# Allegro board BRD-05058-03_A1.brd (continued)
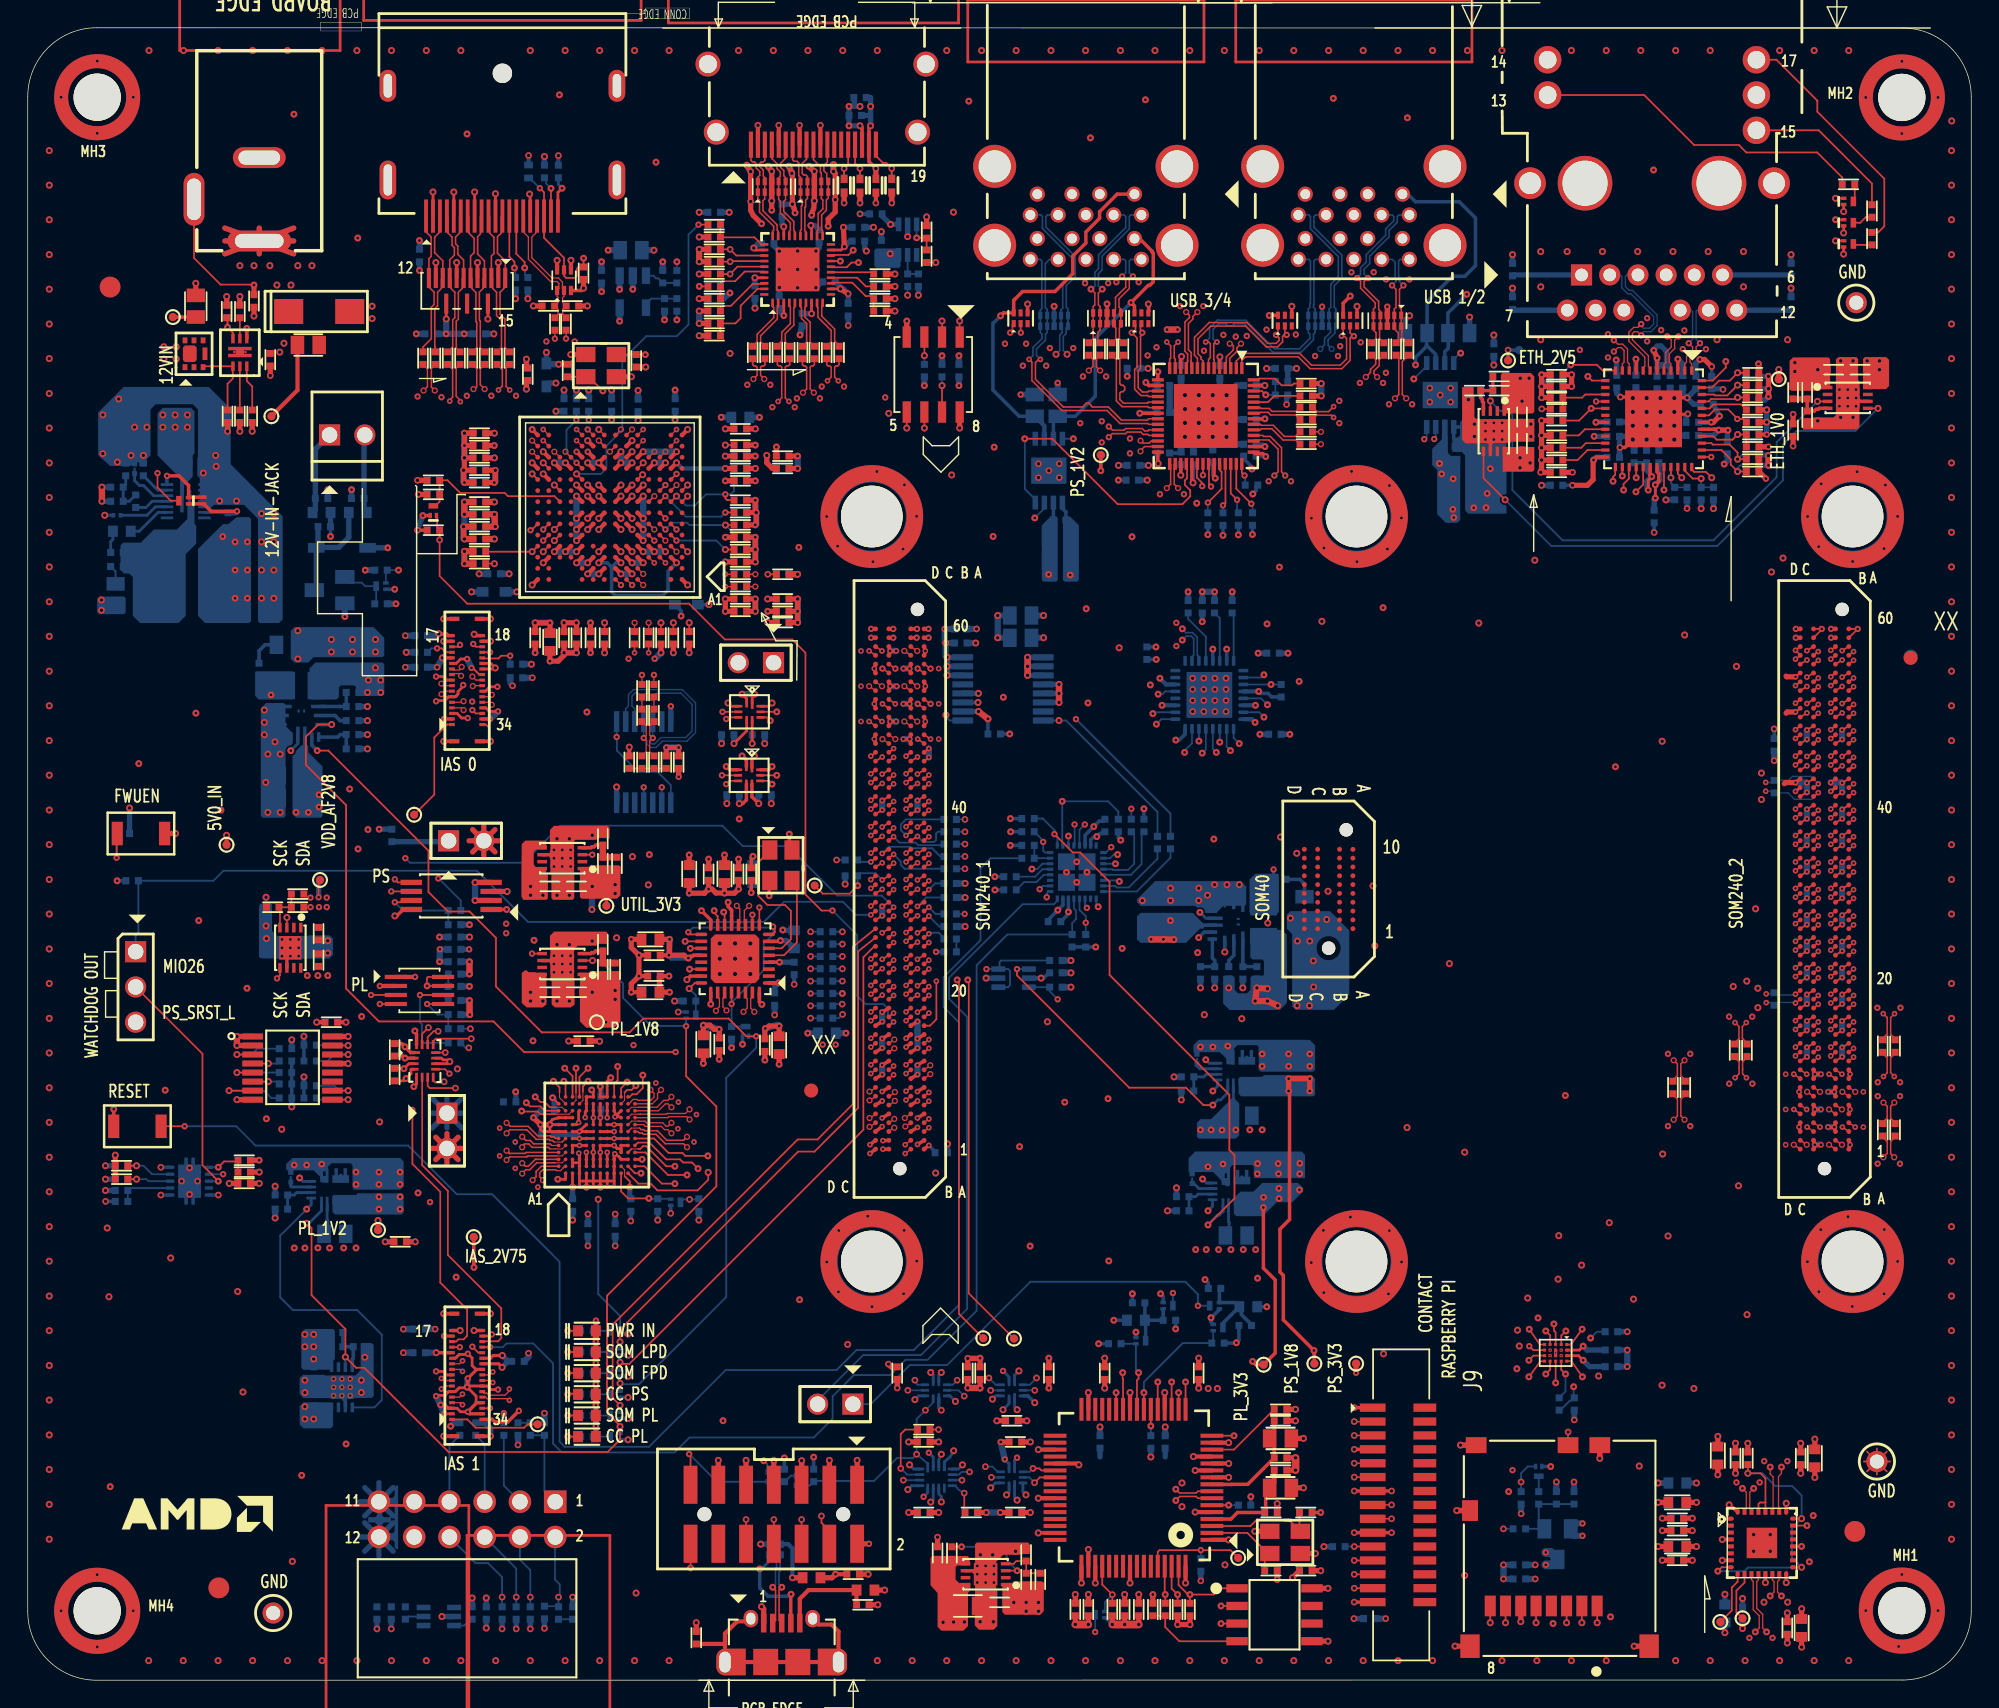
[diagram p0: board, top side]
## Routing (per net, layer and track width the routed paths; a pad name or vN(x,y) marks a point on that pad's centre or on a via; arc(x,y) is an arc through that point) (continued)
PS_1V8_FB: length 2.8
  BOTTOM w0.203: R16.1 R14.2 84.72,43.45 84.9,43.63 U3.10
PS_3V3: length 136.1
  TOP w0.203: v5(54.47,98.27) 54.46,98.28 U32.3 ; v6(50.88,67.45) 51.79,68.36 U30.6 ; U38.A3 111.71,23.37 v5(112.05,23.04) ; U32.32 52.44,103 v6(52.3,103.14) ; U61.15 v6(33.15,98.03) ; U32.37 v6(52.38,101) ; v6(58.82,103.23) 58.59,103 U32.19 ; U32.28 v6(54.46,104.68) ; v6(56.42,104.76) 56.41,104.76 56.41,104.59 56.46,104.55 U32.23 ; U32.12 v6(58.54,100.2) ; U61.13 v6(30.15,98.03) ; U32.8 v6(56.46,98.41)
  TOP w0.254: U43.37 85.46,86.69 85.54,86.6 v5(85.54,86.56) ; v5(50.45,56.02) 50.45,55.71 50.66,55.5 50.66,55.5 50.7,55.46 50.7,55.04 50.7,55.03 U17.13 ; U43.16 80.75,93.24 v5(80.54,93.45) ; v5(48.53,55.41) 49.2,54.74 U17.16 ; U28.6 51.77,63.39 51.51,63.13 v6(51.26,63.13) ; U15.8 27.04,55.5 26.58,55.04 v6(26.44,55.04) ; U43.55 v6(89.12,93.24) ; U17.25 v5(49.2,48.68) ; U43.31 v6(83.06,86.78) ; U17.32 52.7,48.85 v5(52.88,48.67) ; U43.44 v5(89.12,88.84) ; U15.1 v5(34.5,55.5)
  TOP w0.305: U27.L14 v6(36.33,87.67) ; U27.J10 v6(39.53,86.07) ; U62.6 v6(38.13,102.25) ; U27.J5 v6(44.33,86.07)
  TOP w0.381: C110.1 v1(46.89,67.17) v1(46,67.17) R170.1 ; R146.1 v5(52.41,84.98) 52.41,84.16 v2(52.48,84.09) ; C54.1 v5(50.19,56.68) ; v5(50.19,56.68) 50.18,56.69 49.58,56.69 49.29,56.98 v5(49.05,56.98) ; v5(50.19,56.68) 50.9,56.68 v5(51.2,56.98) C61.1 ; v5(49.05,56.98) 48.75,56.68 v5(47.65,56.68) C60.1 ; v5(49.05,56.98) C59.1 ; R168.1 v6(28.14,85.4) ; C340.1 35.92,93.49 v6(35.92,92.97) ; R180.1 v6(48.37,96.82) ; C249.1 v5(40.54,73.99) ; R181.1 v6(62.47,100.38) ; R145.1 v5(52.41,83.2) 52.48,83.27 v2(52.48,84.09) ; C56.1 v5(54.13,47.11) 53.4,47.11 53.22,46.93 v5(53.13,46.93) 53.1,46.9 C55.1 ; R177.1 v6(64.75,105.38) ; R179.1 v6(62.47,98.6) ; v2(52.48,84.09) R141.1 ; R178.1 v6(48.37,99.49) ; R205.1 v6(40.32,98.97) ; TP11.1 v1(95.69,22.14) ; v6(58.54,100.2) v2(59.1,99.84) ; R169.2 v6(46.51,73.99) ; U31.8 v6(67.13,90.17) ; C57.1 v5(49.81,46.87) 49.45,46.87 49.15,47.17 v5(48.66,47.17) C58.1 ; C326.1 v1(70.09,17.16) ; v6(31.45,81.29) v6(31.45,80.41) ; v6(58.82,103.23) v6(58.76,104.63) ; C343.1 v5(53.93,88.81)
  TOP w0.457: v5(31.82,51.74) v5(31.82,50.85) ; C341.1 v6(33.62,84.85) ; v6(89.3,49.8) v6(88.54,49.86) v6(88.42,48.91) v6(89.3,48.91) v6(90.05,48.58) ; v5(31.84,47.93) 31.82,47.96 v5(31.82,48.95) ; R138.1 v6(31.45,81.29) ; R137.1 v6(31.45,80.41)
  L07_PWR w0.381: 122.85,114.16 J10.16 ; J10.16 125.76,112.92 ; J10.16 126.2,114.16 ; J10.16 123.29,115.39 ; J10.16 125.76,115.39 ; J10.16 123.29,112.92 ; 107.81,116.7 J10.14 ; J10.14 108.25,115.46 ; J10.14 111.17,116.7 ; J10.14 110.73,115.46
  BOTTOM w0.203: v1(70.38,15.9) 70.69,15.6 U65.6
  BOTTOM w0.254: TP11.1 v1(95.69,22.14) ; v5(88.25,85.43) 88.48,85.66 88.48,85.95 R218.1 ; v5(89.12,88.84) 88.95,89.01 C297.1 ; v5(80.54,93.45) 80.75,93.24 C299.1 ; R217.1 v5(85.01,82.49) ; C303.1 85.37,86.78 85.54,86.6 v5(85.54,86.56) ; R216.1 v5(86.1,82.44) ; L11.2 47.07,77.01 v5(47.07,76.63) ; v6(83.06,86.78) 83.08,86.8 C304.1
  BOTTOM w0.305: 111.24,10.9 Q14.2
  BOTTOM w0.381: R178.1 v6(48.37,99.49) ; C217.1 v2(59.1,99.84) 58.75,100.2 v6(58.54,100.2) 58.54,100.33 C359.1 ; R270.2 C300.1 v6(91.4,94.47) ; C218.1 55.82,98.41 v6(56.46,98.41) ; U29.14 v1(46.32,70.14) ; C269.1 v5(28.22,103.68) ; v6(52.3,103.14) 52.61,103.45 C357.1 ; C358.1 56.69,104.76 v6(56.42,104.76) ; R1.1 v6(88.54,49.86) ; v6(52.38,101) 52.38,100.99 C220.1 ; v6(86.51,49.86) 86.51,49.86 86.51,50.49 C5.1 ; v5(112.05,23.04) 112.5,22.58 C176.1 ; R184.1 v6(64.16,99.74) ; C225.1 v6(50.53,105.71) ; C221.1 v6(58.76,104.63) ; v5(54.47,98.27) 54.13,98.61 C360.1 ; v6(54.46,104.68) 54.34,104.8 C219.1 ; v6(58.82,103.23) 59.23,103.63 C223.1 ; R196.1 v5(45.87,97.97) ; C298.1 v6(89.12,93.24) ; C250.1 v6(35.92,92.97)
  BOTTOM w0.432: C109.1 v6(51.26,63.13) ; v1(112,10.4) 111.36,10.4 111.36,10.9 111.24,10.9 111.24,11.29 v1(112,11.29) ; C271.1 v5(31.44,96.96) ; C53.1 v5(29.66,53.52) ; R56.1 v5(31.84,47.93) ; R55.1 v5(31.82,48.95) ; R175.1 v6(39.52,92.92) ; R236.1 v2(110.12,14.28) ; R273.1 v2(107.58,11.99) ; R195.1 v5(45.74,102.15) ; R54.1 v5(31.82,50.85) ; R88.1 v5(65.86,95.39) ; C265.1 v5(41.33,100) ; C116.1 v5(67.08,93.23) ; U33.5 v5(42.63,97.87) ; C270.1 v5(30.14,96.96) ; R256.2 v5(31.82,54.41) ; C64.1 v5(31.82,51.74) ; C367.1 v2(111.39,14.28) ; C115.1 v6(50.88,67.45) ; R87.1 v5(64.59,93.23)
  BOTTOM w0.457: v5(54.13,47.11) 53.99,47.19 v5(53.13,46.93) ; v5(52.41,84.98) 52.41,84.6 52.45,84.11 v2(52.48,84.09) 52.48,83.27 v5(52.41,83.2) ; v1(70.38,15.9) v1(70.09,17.16) ; v5(48.66,47.17) 48.68,47.18 49.8,46.89 v5(49.81,46.87) ; v6(31.45,81.29) v6(31.45,80.41) ; v6(30.15,98.03) v5(30.14,96.96) v5(31.44,96.96) ; v1(46,67.17) v1(46.89,67.17) ; R244.1 v6(75.15,49.91) ; v5(31.82,51.74) v5(31.82,50.85) ; v5(31.82,48.95) v5(31.84,47.93)
  vias: v6(107.5,88.03) v6(107.5,87.31) v6(108.23,87.66) v6(132.5,95.01) v6(133.39,95.01) v6(133.39,94.38)
PS_3V3_FB: length 3
  BOTTOM w0.254: R1.2 R2.1 87.53,51.83 87.53,51.84 U1.10
PS_3V3_MODE: length 3.1
  BOTTOM w0.254: R4.2 R5.1 85.51,51.39 85.51,51.83 85.33,52.01 85.33,53.37 U1.13
PS_3V3_PGOOD: length 25.7
  L12_SIG w0.102: v5(84.35,53.48) 82.28,51.41 74.97,51.41 74.94,51.45 73.18,51.45 72.41,50.69 70.18,50.69 69.66,51.21 v1(69.06,51.21)
  BOTTOM w0.132: U70.3 70,51.3 70,51.7 70.13,51.83 R243.2 ; U70.3 v1(69.06,51.21) ; U70.3 70.62,51.21 70.77,51.07 70.77,50.05 70.62,49.91 U70.1
  BOTTOM w0.254: v5(84.35,53.48) 84.35,53.48 84.75,53.87 U1.14
PS_3V3_RAMP: length 2
  BOTTOM w0.254: C5.2 86.51,51.39 86.51,51.83 86.88,52.2 86.88,53.27 U1.11
PS_3V3_SW: length 8.6
  L12_SIG w0.254: v5(84.44,55.3) 86.66,55.3 v1(89.74,58.38)
  BOTTOM w0.203: v5(84.44,55.3) 84.44,55.3 84.87,54.87 U1.16
  BOTTOM w0.254: C321.1 v1(89.74,58.38)
PS_ERROR_OUT_M2C: length 31.1
  TOP w0.127: v5(66.95,50.43) 67.08,50.31 67.08,26.38 TP38.1 ; JA1.B24 v3(64.09,53.15)
  L10_SIG w0.102: v5(66.95,50.43) 66.91,50.43 64.64,52.7 64.54,52.7 v3(64.09,53.15)
PS_ERROR_STATUS_M2C: length 35.3
  TOP w0.127: v5(67.71,50.43) 67.79,50.36 67.79,27.86 TP39.1 ; JA1.B25 v3(63.27,53.21)
  L10_SIG w0.102: v5(67.71,50.43) 67.71,52.08 65.42,54.37 64.11,54.37 63.72,53.98 63.72,53.66 v3(63.27,53.21)
PS_POR_B: length 147.8
  TOP w0.127: Q22.2 29.49,83.82 29.49,82.99 R269.2 v2(29.67,82.12) 29.67,79.52 31.66,77.52 47.64,77.52 50.21,74.95 55.06,74.95 56.02,73.99 56.02,56.59 57.18,55.43 v1(57.97,55.43) ; JA1.C15 v3(62.37,47.41)
  L03_SIG w0.102: v3(62.37,47.41) 62.47,47.41 62.9,47.84 62.9,48.29 63.12,48.5 64.22,48.5 64.46,48.26 64.46,47.44 65.25,46.66 67.79,46.66 77.92,36.52 77.92,34.08 84.3,27.71 v1(84.3,26.97)
  L10_SIG w0.102: v1(76.3,55.62) 75.59,54.91 75.08,54.91 72.92,52.75 72.92,51.48 70.1,48.66 64.54,48.66 64.33,48.87 63.09,48.87 62.78,48.56 62.78,47.82 v3(62.37,47.41)
  BOTTOM w0.127: v1(57.97,55.43) 57.97,55.43 59.75,53.65 59.75,49.28 60.34,48.69 61.63,48.69 61.96,48.36 61.96,47.82 62.37,47.41 v3(62.37,47.41) ; v1(76.3,55.62) 76.3,55.62 76.17,55.75 76.17,56.28 U19.11 ; Q24.3 v1(84.3,26.97) 84.3,27.78 83.38,28.7 72.23,28.7 66.23,22.7 63.54,22.7 60.73,19.88 J21.1
PS_SRST_C2M_B: length 167
  TOP w0.127: J3.14 v2(47.74,8.08) ; JA1.C16 v3(62.37,48.04)
  L03_SIG w0.102: v3(62.37,48.04) 61.92,47.59 61.92,47.28 61.11,46.47 61.11,45.43 59.18,43.5 56.64,43.5 56.2,43.07 47.55,43.07 46.28,44.34 44.35,44.34 43.89,43.88 43.89,43.37 44.25,43.02 44.25,42.2 44.96,41.49 44.96,36.55 44,35.6 44,32.38 41.85,30.22 28.32,30.22 26.03,32.51 26.03,41.37 23.45,43.96 19.43,43.96 16,47.39 J1.3
  L05_SIG w0.102: v2(47.74,8.08) 50.15,8.08 50.87,8.81 67.53,8.81 68.43,9.7 71.17,9.7 73.94,12.47 75.62,12.47 81.3,18.14 81.3,18.51 83.92,21.13 83.92,26.46 v1(82.5,27.88)
  L12_SIG w0.102: v3(62.37,48.04) 62.9,47.51 62.9,47.05 63.25,46.71 67.38,46.71 82.5,31.59 v1(82.5,27.88)
  BOTTOM w0.127: Q25.3 82.49,27.78 82.5,27.78 v1(82.5,27.88)
PWRGD_FPD_M2C: length 38.8
  TOP w0.127: JA1.D24 60.98,52.85 60.2,52.07 60.2,39.64 43.34,22.78 42.79,22.78 v6(42.67,22.9)
  BOTTOM w0.127: Q7.1 v6(42.67,22.9)
PWRGD_LPD_M2C: length 38
  TOP w0.127: v6(42.67,24.37) 42.67,25.24 55.5,38.07 56.67,38.07 59.82,41.21 59.82,52.48 JA1.D25
  BOTTOM w0.127: Q17.1 v6(42.67,24.37)
PWRGD_PL_M2C: length 43.8
  TOP w0.127: JA1.D26 59.48,52.85 59.43,52.8 59.43,41.48 56.89,38.94 55.46,38.94 42.13,25.61 42.13,20.33 v6(42.67,19.8)
  BOTTOM w0.127: Q9.1 v6(42.67,19.8)
PWROFF_C2M_B: length 145.5
  TOP w0.127: Q21.3 10.3,84.94 9.35,85.89 v1(9.35,86.93) ; J12.3 11.98,102.42 13.89,100.5 16.26,100.5 v5(16.3,100.47) ; U7.3 v1(40.66,59.45)
  TOP w0.132: JA1.B26 v3(63.27,53.85)
  TOP w0.381: C207.1 v5(16.3,100.47)
  L03_SIG w0.102: v6(41.1,34.63) 40.69,35.04 40.69,36.13 39.29,37.52 39.29,42.84 39.93,43.47 39.93,58.71 v1(40.66,59.45) ; v1(9.35,86.93) 12.62,90.21 12.62,96.35 14.84,98.57 15.01,98.57 16.3,99.85 v5(16.3,100.47)
  L05_SIG w0.102: v1(9.35,86.93) 9.35,81.62 14.46,76.5 21.76,76.5 22.25,76.99 31.53,76.99 33.25,75.27 34.01,75.27 35.3,73.98 35.3,73.37 35.99,72.69 36.62,72.69 38.48,70.83 38.48,62.07 40.66,59.88 v1(40.66,59.45) 41.68,58.43 55.72,58.43 60.34,53.82 60.34,53.08 60.72,52.7 60.72,52.7 60.82,52.59 62.74,52.59 62.89,52.74 62.89,53.46 63.27,53.84 v3(63.27,53.85)
  BOTTOM w0.132: Q6.1 42.67,26.23 41.1,27.8 v6(41.1,34.63)
RPI_ENABLE: length 68
  TOP w0.127: J9.11 v2(95.56,9.63)
  L03_SIG w0.102: v2(95.56,9.63) 96,9.18 98.69,9.18 100.26,10.75 100.26,19.59 97.01,22.85 92.23,22.85 88.97,26.1 88.41,26.1 79.22,35.29 79.22,36.74 75.95,40.01 75.95,52.68 73.4,55.23 v1(73.4,56.38)
  BOTTOM w0.127: v1(73.4,56.38) 73.4,56.39 73.4,56.66 73.54,56.8 U19.17 ; R259.2 94.91,9.63 v2(95.56,9.63)
RPI_I2C_SCK: length 117.4
  TOP w0.127: U18.10 v6(23.08,42.46) ; J9.13 v2(95.56,7.63)
  L03_SIG w0.102: v6(23.08,42.46) 23.54,41.99 23.54,41.59 20.83,38.88 19.71,38.88 18.44,37.61 18.44,19.6 22.51,15.53 40.39,15.53 45.98,9.94 45.98,8.65 51.15,3.47 75.37,3.47 75.83,3.02 77.21,3.02 77.36,3.17 91.1,3.17 v2(95.56,7.63)
  BOTTOM w0.127: v6(23.08,42.46) 22.44,42.46 22.08,42.81 R64.2
RPI_I2C_SDA: length 117.6
  TOP w0.127: J9.14 v2(95.56,6.63) ; U18.9 v6(23.08,41.81)
  L03_SIG w0.102: v6(23.08,41.81) 20.78,39.51 19.45,39.51 17.17,37.23 17.17,19.62 22.2,14.59 39.4,14.59 45.04,8.95 45.04,8.44 50.92,2.56 91.49,2.56 v2(95.56,6.63)
  BOTTOM w0.127: v6(23.08,41.81) 20.91,41.81 R59.2
SD_RESET_B: length 66.8
  L03_SIG w0.102: v2(107.58,14.28) 106.79,14.28 99.36,21.71 99.36,23.08 98.01,24.43 95.42,24.43 90.75,29.1 90.75,29.45 88.27,31.93 85.18,31.93 79.76,37.34 79.76,54.44 77.85,56.36 75.13,56.36 74.52,56.97 v1(72.89,56.97)
  BOTTOM w0.127: U19.18 73.13,57.2 72.9,56.97 v1(72.89,56.97) ; Q15.1 108.05,15.39 107.58,14.91 v2(107.58,14.28) R273.2
SDIO1_CLK: length 29.6
  TOP w0.127: J11.5 v6(108.65,4.14)
  L02_GND w0.127: v7(109.67,23.37) 108.72,22.43 v5(107.27,22.43)
  L03_SIG w0.102: v6(108.65,4.14) 107.85,3.34 104.93,3.34 104.52,3.75 104.52,7.58 108.61,11.67 108.61,14.62 107.27,15.96 v5(107.27,22.43)
SDIO1_CMD: length 28.5
  TOP w0.127: U38.C4 v5(110.07,21.41) ; J11.3 v6(110.85,4.14)
  L03_SIG w0.102: v5(110.07,21.41) 113.8,17.68 113.8,12.1 113.9,12 114.1,12 114.2,11.9 114.2,11.49 114.1,11.39 113.9,11.39 113.8,11.29 113.8,10.88 113.9,10.78 114.1,10.78 114.2,10.68 114.2,10.27 114.1,10.17 113.9,10.17 113.8,10.07 113.8,9.67 113.9,9.56 114.1,9.56 114.2,9.46 114.2,9.06 114.1,8.95 113.9,8.95 113.8,8.85 113.8,8.45 113.9,8.34 114.1,8.34 114.2,8.24 114.2,7.84 114.1,7.73 113.9,7.73 113.8,7.63 113.8,7.09 113.09,6.38 112.95,6.38 112.41,6.92 112.27,6.92 111.98,6.64 111.98,6.49 112.52,5.95 112.52,5.81 112.23,5.52 112.09,5.52 111.55,6.06 111.4,6.06 111.12,5.77 111.12,5.63 111.66,5.09 111.66,4.95 v6(110.85,4.14)
SDIO1_DATA0: length 29.4
  TOP w0.127: J11.7 v6(106.45,4.14) ; v5(109.35,22.05) 109.67,22.36 U38.D4
  L03_SIG w0.102: v5(109.35,22.05) 108.64,21.33 108.64,19.24 112.91,14.97 112.91,13 110.62,10.72 110.62,9.48 110.73,9.38 111.22,9.38 111.32,9.28 111.32,8.87 111.22,8.77 110.73,8.77 110.62,8.67 110.62,8.31 109.98,7.67 109.98,7.52 110.31,7.19 110.31,7.05 110.02,6.76 109.88,6.76 109.55,7.09 109.4,7.09 109.12,6.8 109.12,6.66 109.45,6.33 109.45,6.18 109.16,5.9 109.02,5.9 108.69,6.23 108.54,6.23 108.25,5.94 108.25,5.8 108.59,5.47 108.59,5.32 108.3,5.04 108.16,5.04 107.82,5.37 107.68,5.37 v6(106.45,4.14)
SDIO1_DATA1: length 29.7
  TOP w0.127: v5(108.14,21.85) 108.97,22.97 U38.E4 ; J11.8 v6(105.35,4.14)
  L03_SIG w0.102: v5(108.14,21.85) 108.14,16.36 109.4,15.1 109.4,13.47 109.5,13.37 111.74,13.37 111.84,13.27 111.84,12.87 111.74,12.76 109.5,12.76 109.4,12.66 109.4,11.47 108.76,10.82 108.76,10.68 109.1,10.34 109.1,10.2 108.81,9.91 108.67,9.91 108.33,10.25 108.18,10.25 107.9,9.96 107.9,9.82 108.23,9.48 108.23,9.34 107.95,9.05 107.8,9.05 107.46,9.39 107.32,9.39 106.89,8.95 106.89,5.67 v6(105.35,4.14)
SDIO1_DATA2: length 29.3
  TOP w0.127: v5(111.99,21.85) 111.21,22.97 U38.A4 ; J11.1 v6(113.05,4.14)
  L03_SIG w0.102: v6(113.05,4.14) 118.46,4.14 119.23,4.91 119.23,14.61 v5(111.99,21.85)
SDIO1_DATA3: length 31.7
  TOP w0.127: J11.2 v6(111.95,4.14) ; v5(110.78,22.05) 110.47,22.36 U38.B4
  L03_SIG w0.102: v6(111.95,4.14) 114.24,6.43 114.38,6.43 115.5,5.31 115.65,5.31 115.93,5.59 115.93,5.74 114.81,6.86 114.81,7 115.14,7.33 115.14,9.06 115.24,9.16 115.65,9.16 115.75,9.26 115.75,9.66 115.65,9.77 115.24,9.77 115.14,9.87 115.14,10.27 115.24,10.38 115.65,10.38 115.75,10.48 115.75,10.88 115.65,10.99 115.24,10.99 115.14,11.09 115.14,11.49 115.24,11.6 115.65,11.6 115.75,11.7 115.75,12.1 115.65,12.2 115.24,12.2 115.14,12.31 115.14,17.94 111.58,21.51 111.58,21.74 111.27,22.05 v5(110.78,22.05)
  BOTTOM w0.127: v5(110.78,22.05) 110.78,20.8 R247.2
SDIO_CLK_FB_NC: length 1.2
  TOP w0.127: v1(108.16,24.06) 108.44,23.77 U38.E2
SDIO_VCCB: length 4.9
  L02_GND w0.279: v7(110.47,23.37) 111.36,22.48 v5(111.36,21.14)
  BOTTOM w0.127: v5(111.36,21.14) 111.36,20.39 C178.1 111.2,20.14 111.1,20.14 110.4,19.44 R247.1
SDIO_VDD: length 4.1
  BOTTOM w0.127: C368.2 v2(106.31,10.9)
  BOTTOM w0.432: C369.1 v2(108.59,7.29) ; C177.1 v2(108.59,8.31)
  BOTTOM w0.635: v1(109.35,8.31) 109.81,8.31 Q14.3 109.7,9.2 v1(109.35,9.2)
SI5332_SCLK_NC: length 1.3
  TOP w0.127: U17.9 v1(52.7,55.65)
SI5332_SDA_NC: length 0.7
  TOP w0.127: U17.10 v1(52.2,55.12)
SI5332_VCCO2_NC: length 0.6
  TOP w0.127: U40.20 v5(127.78,9.64)
SI5332_VCCO3_NC: length 1
  TOP w0.127: U40.23 v5(128.17,11.14)
SI5332_XA: length 7
  TOP w0.127: X3.3 55.41,57.24 55.41,53.14 54.47,52.21 U17.5
SI5332_XB: length 10.3
  TOP w0.127: X3.1 53.45,59.73 52.62,58.9 52.62,56.49 53.29,55.82 54.55,55.82 54.97,55.4 54.97,53.37 54.31,52.71 U17.6
SOM240_1_C45_NC: length 0.4
  TOP w0.127: JA1.C45 v3(62.37,66.46)
SOM240_1_D46_NC: length 0.4
  TOP w0.127: JA1.D46 v3(60.73,66.55)
SOM_5V0: length 13.5
  TOP w0.254: JA1.A59 v1(64.89,75.07) ; JA1.D60 v1(60.75,75.71) ; JA1.C60 v1(62.35,75.71) ; JA1.C59 v1(62.35,75.07) ; JA1.A60 v1(64.89,75.71) ; JA1.B60 v1(64.06,75.71)
  BOTTOM w0.381: U14.14 v6(66.22,72.36) ; U14.15 v6(66.22,73.01) ; U14.16 v6(66.22,73.66)
  BOTTOM w0.432: C324.1 v6(66.13,74.69) ; C354.1 v6(69.87,75.07) ; C353.1 v6(69.87,76.67) ; C323.1 v2(66.06,75.71)
  BOTTOM w0.457: v6(69.87,76.67) v6(69.87,75.07) ; v6(66.22,72.36) v6(66.22,73.01) v6(66.22,73.66) 66.13,73.76 v6(66.13,74.69) 66.06,74.75 v2(66.06,75.71)
SOM_DP_AUX_IN_LS: length 8.5
  TOP w0.127: U28.4 v1(50.01,65.17)
  L05_SIG w0.102: v1(44.37,64.3) 45.52,65.45 48.15,65.45 48.43,65.17 v1(50.01,65.17)
  BOTTOM w0.127: U29.4 v1(44.37,64.3)
SOM_DP_AUX_OUT_LS: length 6.8
  TOP w0.127: U28.5 50.55,64.77 v1(50.32,64.53)
  L05_SIG w0.102: v1(45.67,64.3) 48.15,64.3 48.38,64.53 v1(50.32,64.53)
  BOTTOM w0.127: U29.2 v1(45.67,64.3)
SOM_DP_HPD_LS: length 17.8
  TOP w0.127: U27.F4 v4(45.13,82.87) ; R174.1 v6(45.62,76.15) ; U30.4 v1(50.05,69.74)
  L03_SIG w0.102: v1(50.05,69.74) 47.04,72.75 47.04,74.73 v6(45.62,76.15) 45.62,79.01 44.73,79.9 44.73,82.46 v4(45.13,82.87)
SOM_DP_OE_LS: length 17.6
  TOP w0.127: U30.5 50.42,69.34 50.32,69.23 50.32,69.22 v1(50.32,69.22)
  L05_SIG w0.102: v1(42.42,67.93) 43.72,69.22 v1(50.32,69.22)
  BOTTOM w0.127: U29.8 v1(42.42,67.93) 42.44,67.91 42.44,66.94 43.97,65.42 45.36,65.42 46.32,64.46 U29.1
STDP4320_AVDD12_OSC: length 3.8
  TOP w0.132: U27.L13 v6(37.13,87.67)
  TOP w0.305: U27.M6 v6(43.53,88.47)
  TOP w0.381: C258.1 v6(33.62,89.8)
  BOTTOM w0.381: L12.1 37.6,93.41 v6(38.05,93.41) ; C257.1 v6(43.97,90.72)
  BOTTOM w0.432: C258.1 v6(33.62,89.8)
STDP4320_DVDD25_SM: length 16.1
  TOP w0.127: v2(53.31,79.64) C260.1 ; v6(44.3,86.81) 44.28,86.81 U27.K5
  L03_SIG w0.102: v6(44.3,86.81) 44.31,86.81 45.88,86.81 46.21,86.48 47.95,86.48 49.66,84.78 49.66,83.13 50.03,82.75 52.65,82.75 53.31,82.09 53.31,79.65 v2(53.31,79.64)
  BOTTOM w0.127: v2(53.31,79.64) C259.1
STDP4320_GPIO5_HDMI_OE_B: length 25.2
  TOP w0.127: R185.1 v1(48.32,104.82) ; U27.K10 v6(39.53,86.87)
  BOTTOM w0.127: v1(48.32,104.82) 47.6,104.1 47.6,97.63 46.76,96.79 44.56,96.79 42.83,95.06 42.83,90.03 41.68,88.88 41.68,87.26 41.29,86.87 v6(39.53,86.87)
STDP4320_GPIO6_HDMI_DDC_EN: length 44.2
  TOP w0.127: U27.E13 v1(37.13,82.07) ; R186.1 v5(48.37,100.38)
  L10_SIG w0.102: v5(48.37,100.38) 48.37,100.55 47.65,101.27 47.65,102.48 45.65,104.48 33.8,104.48 31.77,102.46 31.77,97.42 32.28,96.92 32.28,86.68 33.57,85.39 34.35,85.39 36.73,83.01 36.73,82.48 v1(37.13,82.07)
STDP4320_GPIO7_HDMI_PWR_ON: length 47
  TOP w0.127: R182.1 v6(65.41,102.1) ; v1(36.22,82.82) 36.28,82.82 U27.F14
  L10_SIG w0.102: v6(65.41,102.1) 64.79,101.48 64.79,96.41 57.15,88.76 57.15,84.68 52.56,80.09 44.18,80.09 43.91,80.36 43.91,80.63 43.69,80.85 39.38,80.85 39.2,80.67 37.99,80.67 37.56,81.11 37.56,81.47 37.36,81.66 36.76,81.66 36.22,82.21 v1(36.22,82.82)
STDP4320_GPIO8_HDMI_PWR_FLT_B: length 39.4
  TOP w0.127: U27.E12 v6(37.93,82.07)
  L10_SIG w0.102: v6(63.38,99.74) 62.92,99.28 62.92,95.55 56.03,88.66 56.03,85.22 52.71,81.91 49.29,81.91 48.18,80.8 47.4,80.8 47.32,80.88 46.55,80.88 46.31,81.11 46.31,81.43 46.06,81.67 38.33,81.67 v6(37.93,82.07)
  BOTTOM w0.127: R183.1 v6(63.38,99.74)
STDP4320_GPIO10_DP_PWR_EN: length 36.3
  TOP w0.127: U27.F12 v6(37.93,82.87)
  L10_SIG w0.102: v6(37.93,82.87) 37.93,84.15 35.85,86.24 35.85,92.46 35.41,92.89 35.41,96.33 34.53,97.21 34.53,101.78 35.76,103.01 41.09,103.01 41.74,102.36 42.37,102.36 v5(46.76,97.97)
  BOTTOM w0.127: R197.1 v5(46.76,97.97)
STDP4320_GPIO11_DP_PWR_FAULT_B: length 37.6
  TOP w0.127: U27.F13 v1(37.13,82.87)
  L10_SIG w0.102: v5(46.76,102.15) 44.99,103.92 34.97,103.92 32.66,101.61 32.66,97.17 32.92,96.92 32.92,92.21 34.57,90.56 34.57,86.1 37.13,83.53 v1(37.13,82.87)
  BOTTOM w0.127: R198.1 v5(46.76,102.15)
STDP4320_GPIO12_DP_TX1_CONFIG1: length 26.8
  TOP w0.127: U27.H1 v6(47.53,85.27) ; v5(35.06,101.71) 35.06,102.14 34.69,102.51 J6.13
  L10_SIG w0.102: v6(47.53,85.27) 45.51,87.29 45.51,90.44 39.91,96.05 39.91,96.86 v5(35.06,101.71)
  BOTTOM w0.127: R203.1 35.14,101.48 35.06,101.55 v5(35.06,101.71)
STDP4320_GPIO13_DP_TX1_CONFIG2: length 31.9
  TOP w0.127: U27.G3 v1(45.93,83.67) ; J6.14 35.19,102.72 35.8,102.12 v5(35.8,101.71)
  L10_SIG w0.102: v5(35.8,101.71) 36.47,101.71 41.37,96.81 43.94,96.81 48.19,92.57 48.19,84.95 46.9,83.67 v1(45.93,83.67)
  BOTTOM w0.127: R202.1 35.82,101.22 35.82,101.68 v5(35.8,101.71)
STDP4320_HOST_IRQ_OUT: length 7.1
  TOP w0.127: v1(50.25,85.4) 50.25,85.4 50.25,85.11 50.38,84.98 50.88,84.98 R146.2 ; U27.H2 v6(46.73,85.27)
  BOTTOM w0.127: R154.1 50.88,85.64 50.64,85.4 v1(50.25,85.4) 48.86,85.4 48.05,84.6 47.41,84.6 v6(46.73,85.27)
STDP4320_RX0_LN0_N: length 5.6
  TOP w0.094: v4(44.33,79.67) U27.B5 ; C212.2 v4(44.73,76.15)
  L03_SIG w0.112: v4(44.73,76.15) 44.45,76.43 44.45,77.48 45.13,78.16 45.13,79.14 44.87,79.4 44.61,79.4 v4(44.33,79.67)
STDP4320_RX0_LN0_P: length 5.6
  TOP w0.094: C211.2 v4(43.71,76.15) ; v4(44.33,78.87) U27.A5
  L03_SIG w0.112: v4(44.33,78.87) 44.33,79.03 44.45,79.14 44.76,79.14 44.88,79.03 44.88,78.27 44.19,77.59 44.19,76.27 44.08,76.15 v4(43.71,76.15)
STDP4320_RX0_LN1_N: length 6.8
  TOP w0.094: U27.C3 v3(45.93,80.47) ; C214.2 v3(50.25,79.64)
  L12_SIG w0.112: v3(50.25,79.64) 49.93,79.33 48.45,79.33 47.85,79.93 45.77,79.93 45.66,80.04 45.66,80.2 v3(45.93,80.47)
STDP4320_RX0_LN1_P: length 7.2
  TOP w0.094: C213.2 v3(50.25,78.75) ; U27.C4 v3(45.13,80.47)
  L12_SIG w0.112: v3(50.25,78.75) 49.93,79.07 48.34,79.07 47.74,79.67 45.67,79.67 45.41,79.93 45.41,80.2 v3(45.13,80.47)
STDP4320_SPDIF_OUT0: length 5
  TOP w0.127: R151.1 v6(50.25,81.42) ; U27.E2 v1(46.73,82.07)
  BOTTOM w0.127: v1(46.73,82.07) 49.6,82.07 v6(50.25,81.42)
STDP4320_SPDIF_OUT1: length 6.9
  TOP w0.127: v6(50.26,83.19) 50.87,83.19 R145.2 ; U27.F3 v1(45.93,82.87)
  BOTTOM w0.127: R153.1 50.74,82.45 50.74,82.71 v6(50.26,83.19) 47.66,83.19 47.49,83.36 46.42,83.36 v1(45.93,82.87)
STDP4320_SPI_CLK: length 24.3
  TOP w0.127: U27.H3 v1(45.93,85.27) ; v1(50.25,84.09) 50.26,84.09 50.88,84.09 R141.2 ; U31.6 v6(64.59,90.17)
  L03_SIG w0.102: v1(50.25,84.09) 51.89,85.72 55.76,85.72 59.1,89.07 63.49,89.07 v6(64.59,90.17)
  BOTTOM w0.127: v1(50.25,84.09) 49.96,83.79 47.41,83.79 v1(45.93,85.27)
STDP4320_SPI_CS_B: length 33
  TOP w0.127: U31.1 v6(67.13,97.88) ; U27.J3 v1(45.93,86.07)
  L12_SIG w0.102: v1(45.93,86.07) 46.33,85.67 46.33,85.02 46.79,84.56 55.59,84.56 59.97,88.94 64.31,88.94 66.46,91.09 66.46,97.22 v6(67.13,97.88)
STDP4320_SPI_DI: length 28.9
  TOP w0.127: U27.J1 v6(47.53,86.07) ; U31.2 v6(65.86,97.88)
  L12_SIG w0.102: v6(65.86,97.88) 65.17,97.2 65.17,91.64 63.95,90.42 63.95,89.85 63.56,89.45 59.67,89.45 55.83,85.61 52.07,85.61 51.76,85.92 49.58,85.92 49.43,86.07 v6(47.53,86.07)
STDP4320_SPI_DO: length 20.5
  TOP w0.127: U31.5 v6(63.32,90.17) ; U27.K2 v1(46.73,86.87)
  L12_SIG w0.102: v6(63.32,90.17) 59.4,90.17 55.1,85.87 52.32,85.87 51.36,86.83 46.77,86.83 v1(46.73,86.87)
STDP4320_TCLK: length 11.1
  TOP w0.127: v5(44.49,95.46) C216.2 42.41,95.46 X4.3 ; U27.N7 v4(41.93,88.47)
  L03_SIG w0.102: v5(44.49,95.46) 43.86,95.46 42.49,94.09 42.49,90.47 42.06,90.04 42.06,88.6 v4(41.93,88.47)
STDP4320_UART_RX: length 97.4
  TOP w0.127: U27.J2 v4(46.73,86.07)
  L03_SIG w0.102: v4(46.73,86.07) 47.13,85.67 47.77,85.67 48.79,84.65 48.79,82.44 49.68,81.55 49.68,72.9 50.55,72.03 52.14,72.03 52.88,71.29 52.88,68.75 50.97,66.85 50.97,64.41 46.88,60.32 46.88,49.45 47.32,49.02 47.32,47.87 46.88,47.44 46.88,46.99 47.67,46.2 52.05,46.2 52.31,45.94 56.29,45.94 56.73,46.38 57.59,46.38 v1(58.2,45.77)
  L05_SIG w0.102: v2(68.98,15.38) 68.52,15.38 67.91,15.99 66.58,15.99 66.28,16.29 66.28,16.46 66,16.74 65.24,16.74 57.15,24.83 57.15,38.19 58.69,39.72 58.69,45.29 v1(58.2,45.77)
  BOTTOM w0.127: U65.5 69.87,15.01 69.49,15.38 v2(68.98,15.38)
STDP4320_UART_TX: length 98.5
  TOP w0.127: U27.H4 v4(45.13,85.27)
  L03_SIG w0.102: v4(45.13,85.27) 45.84,84.56 46.06,84.56 48.54,82.08 48.54,73.17 50.97,70.73 50.97,69.04 48.79,66.85 48.79,63.27 45.67,60.14 45.67,47.7 47.72,45.64 49.96,45.64 50.54,45.06 51.77,45.06 52.38,45.66 56.64,45.66 56.75,45.77 v1(57.26,45.77)
  L05_SIG w0.102: v1(57.26,45.77) 57.87,45.16 57.87,40.2 56.54,38.87 56.54,23.06 58.25,21.35 58.25,18.67 59.52,17.39 62.23,17.39 65.66,13.96 68.27,13.96 68.92,14.61 v2(69.42,14.61)
  BOTTOM w0.127: U65.4 v2(69.42,14.61)
STDP4320_XTAL: length 7.4
  TOP w0.127: v5(41.43,92.85) 40.41,93.87 X4.1 C215.2 ; U27.N8 v4(41.13,89.27)
  L03_SIG w0.102: v5(41.43,92.85) 41.43,90.68 41.59,90.52 41.59,89.72 v4(41.13,89.27)
USB3320_D_N: length 25.5
  TOP w0.114: v1(90.58,86.76) 90.32,87.02 90.32,88.76 89.51,89.57 89.04,89.57 88.97,89.64 U43.46
  L10_SIG w0.112: v1(90.58,86.76) 90.32,87.02 90.32,87.28 90.06,87.54 89.38,87.54 88.67,86.84 88.67,78.42 85.68,75.44 83.45,75.44 v5(83.17,75.72)
  BOTTOM w0.114: U37.19 84.37,73.71 84.24,73.84 84.24,75.11 83.91,75.44 83.42,75.44 83.17,75.68 v5(83.17,75.72)
USB3320_D_P: length 25.5
  TOP w0.114: v1(89.8,86.76) 90.07,87.02 90.07,88.65 89.4,89.31 88.38,89.31 U43.45
  L10_SIG w0.112: v1(89.8,86.76) 89.84,86.76 90.07,86.98 90.07,87.18 89.96,87.29 89.48,87.29 88.92,86.73 88.92,85.8 89.04,85.69 89.27,85.69 89.38,85.58 89.38,85.36 89.27,85.25 89.04,85.25 88.92,85.13 88.92,84.91 89.04,84.8 89.24,84.8 89.36,84.69 89.36,84.46 89.24,84.35 89.04,84.35 88.92,84.24 88.92,78.32 85.79,75.18 83.45,75.18 v5(83.17,74.91)
  BOTTOM w0.114: U37.18 83.87,73.71 83.99,73.83 83.99,75 83.81,75.19 83.45,75.19 v5(83.17,74.91)
USB_ATEST: length 3.5
  TOP w0.127: U43.52 89.35,92.04 89.79,92.49 R222.1
USB_CFG_BC_EN: length 3.7
  TOP w0.127: v1(87.12,85.01) 86.66,85.47 U43.40
  BOTTOM w0.127: R219.1 87.12,84.16 v1(87.12,85.01)
USB_CFG_NON_REM: length 4
  TOP w0.127: U43.41 87.06,85.8 v1(88.14,84.72)
  BOTTOM w0.127: v1(88.14,84.72) 88.22,84.64 R220.1
USB_D1_N: length 25.1
  TOP w0.114: X6.1 94.76,96.9 94.64,96.79 v3(94.64,96.79) 94.66,96.77 94.86,96.77 95,96.63 95,95.15 94.56,94.71 92.47,94.71 91.63,95.55 87.61,95.55 87.06,95 U43.2
  L05_SIG w0.112: U44.11 95.77,103.82 95.65,103.93 95.65,104.53 95.29,104.89 94.02,104.89 92.68,103.56 92.68,103.55 92.43,103.3 92.43,100.67 93.75,99.35 93.75,99.07 94.89,97.93 94.89,97.04 94.64,96.79 v3(94.64,96.79)